# KiCad board VGA.kicad_pcb (continued)
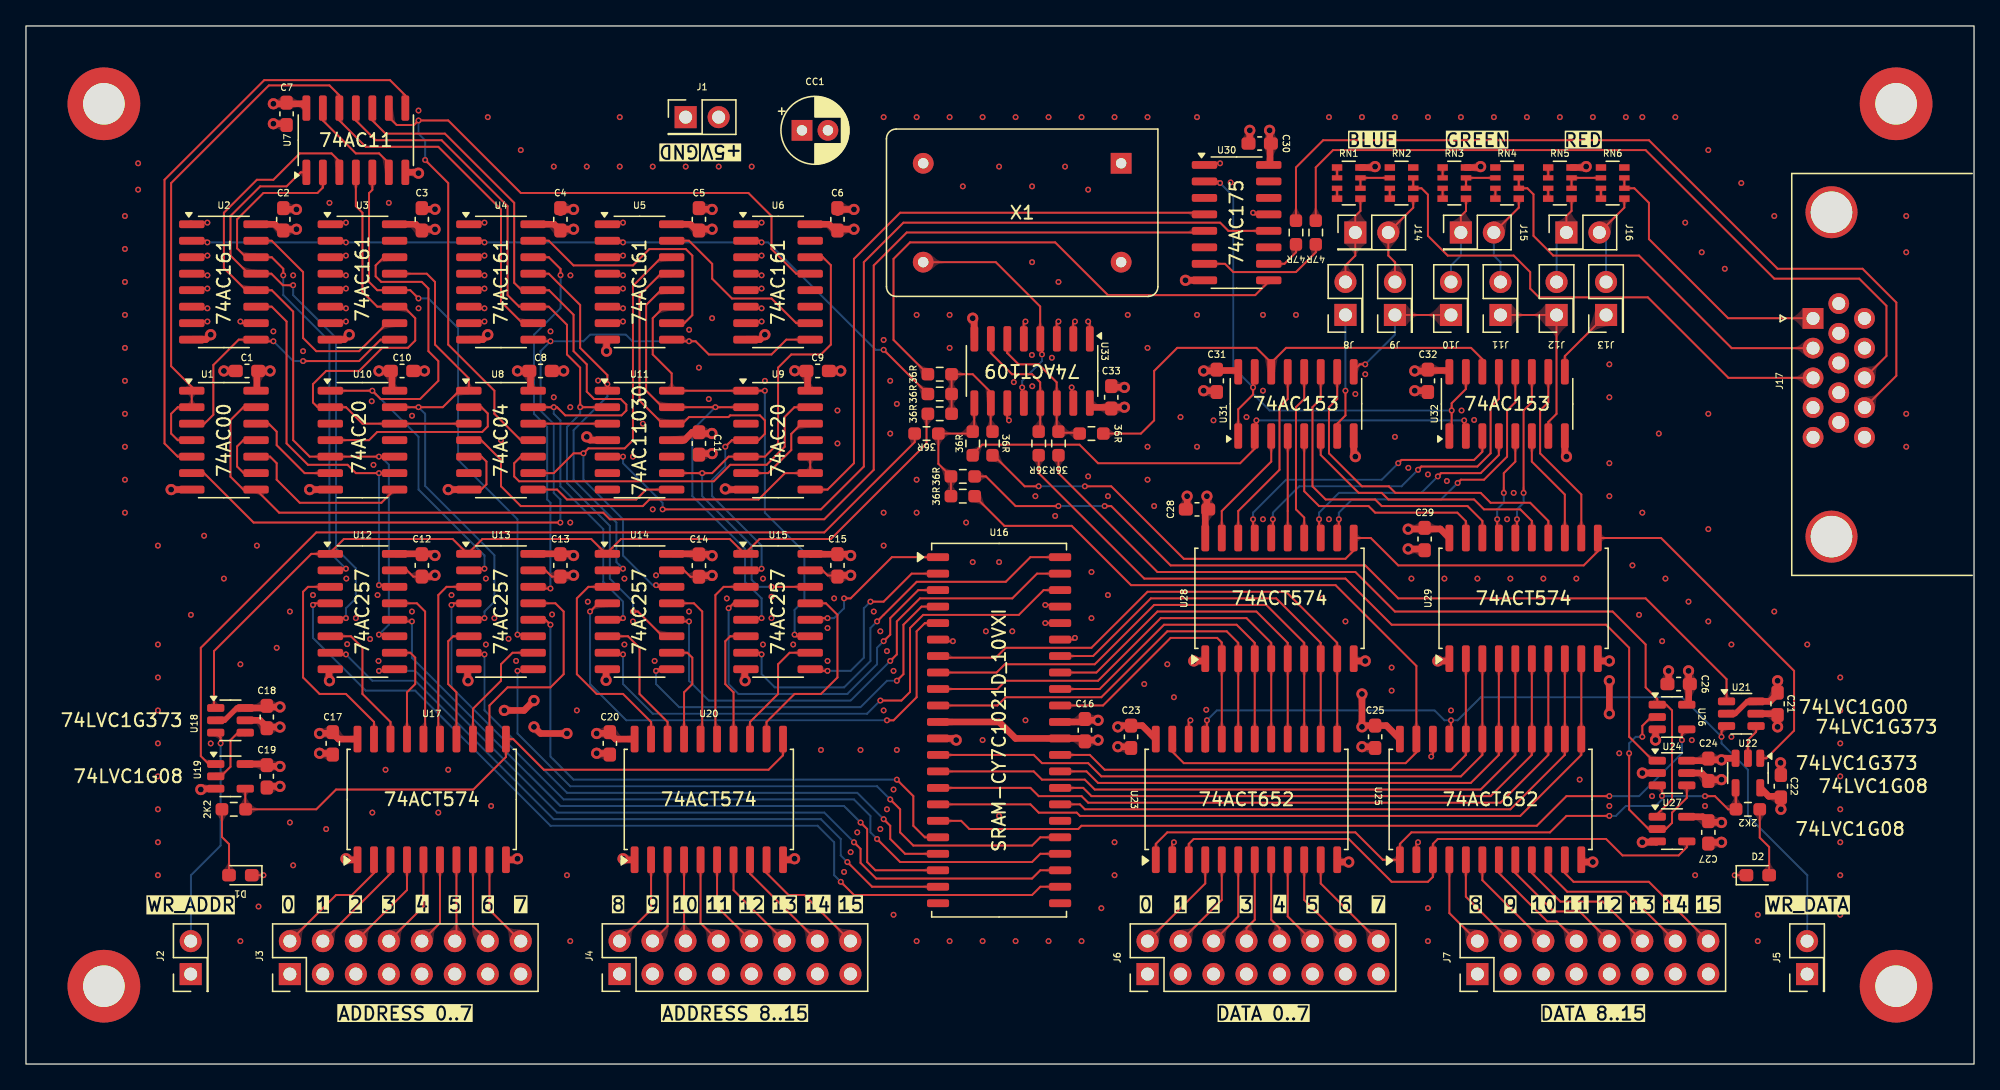
[diagram p0: board, top side]
## Nets (continued)
/VGA OUTPUT/RED0: J12.2 J16.1 RN5.5
/VGA OUTPUT/RED1: J13.2 J16.2 RN6.5
/VGA OUTPUT/RED_OUT: J17.1 RN6.6 RN6.7
/VGA OUTPUT/VSYNC_OUT: J17.14 R4.2
/WR: U16.17 U26.4
DATASYNC: U9.8 U30.4
HSYNC: U1.8 U1.13 U30.5
PX_DATA0: U16.35 U23.20 U28.2
PX_DATA1: U16.10 U23.19 U28.3
PX_DATA2: U16.36 U23.18 U28.4
PX_DATA3: U16.9 U23.17 U28.5
PX_DATA4: U16.37 U23.16 U28.6
PX_DATA5: U16.8 U23.15 U28.7
PX_DATA6: U16.38 U23.14 U28.8
PX_DATA7: U16.7 U23.13 U28.9
PX_DATA8: U16.32 U25.20 U29.2
PX_DATA9: U16.13 U25.19 U29.3
PX_DATA10: U16.31 U25.18 U29.4
PX_DATA11: U16.14 U25.17 U29.5
PX_DATA12: U16.30 U25.16 U29.6
PX_DATA13: U16.15 U25.15 U29.7
PX_DATA14: U16.29 U25.14 U29.8
PX_DATA15: U16.16 U25.13 U29.9
S_ADDR0: U2.14 U7.2 U12.2
S_ADDR1: U2.13 U7.1 U12.5
S_ADDR2: U2.12 U7.3 U10.5 U10.10 U12.11
S_ADDR3: U2.11 U10.9 U12.14
S_ADDR4: U3.14 U10.1 U13.2
S_ADDR5: U3.13 U8.1 U10.13 U13.5
S_ADDR6: U3.12 U7.5 U13.11
S_ADDR7: U4.14 U13.14
S_ADDR8: U4.13 U11.1 U14.2
S_ADDR9: U4.12 U7.10 U8.13 U14.5
S_ADDR10: U4.11 U7.11 U11.2 U14.11
S_ADDR11: U5.14 U8.9 U14.14
S_ADDR12: U5.13 U9.4 U11.12 U15.2
S_ADDR13: U5.12 U9.2 U11.13 U15.5
S_ADDR14: U5.11 U9.1 U11.14 U15.11
S_ADDR15: U6.14 U9.5 U11.9 U15.14
VSYNC: U11.5 U30.12
X_ADDR0: U12.3 U17.19
X_ADDR1: U12.6 U17.18
X_ADDR2: U12.10 U17.17
X_ADDR3: U12.13 U17.16
X_ADDR4: U13.3 U17.15
X_ADDR5: U13.6 U17.14
X_ADDR6: U13.10 U17.13
X_ADDR7: U13.13 U17.12
X_ADDR8: U14.3 U20.19
X_ADDR9: U14.6 U20.18
X_ADDR10: U14.10 U20.17
X_ADDR11: U14.13 U20.16
X_ADDR12: U15.3 U20.15
X_ADDR13: U15.6 U20.14
X_ADDR14: U15.10 U20.13
X_ADDR15: U15.13 U20.12
Net-(D1-A): D1.2 R1.1
Net-(D2-A): D2.2 R2.1
Net-(RN1A-R1.1): RN1.1 RN1.2
Net-(RN1B-R2.2): RN1.6 RN1.7 RN2.2
Net-(RN1C-R3.1): RN1.3 RN1.4
Net-(RN2C-R3.1): RN2.3 RN2.4
Net-(RN3A-R1.1): RN3.1 RN3.2
Net-(RN3B-R2.2): RN3.6 RN3.7 RN4.2
Net-(RN3C-R3.1): RN3.3 RN3.4
Net-(RN4C-R3.1): RN4.3 RN4.4
Net-(RN5A-R1.1): RN5.1 RN5.2
Net-(RN5B-R2.2): RN5.6 RN5.7 RN6.2
Net-(RN5C-R3.1): RN5.3 RN5.4
Net-(RN6C-R3.1): RN6.3 RN6.4
Net-(U1-Pad5): U1.5 U7.8
Net-(U1-Pad10): U1.10 U10.8
Net-(U1-Pad11): U1.9 U1.11
Net-(U1-Pad12): U1.12 U10.6
Net-(U2-TC): U2.15 U3.10
Net-(U2-~{PE}): U1.3 U2.9 U3.9
Net-(U4-CET): U1.1 U1.2 U1.4 U4.10 U7.12
Net-(U4-TC): U4.15 U5.10
Net-(U4-~{PE}): U1.6 U4.9 U5.9 U6.9
Net-(U5-TC): U5.15 U6.10
Net-(U6-Q1): U6.13 U7.9 U8.11
Net-(U7-Pad13): U7.6 U7.13
Net-(U8-Pad4): U8.4 U9.9 U9.10
Net-(U8-Pad10): U8.10 U9.13
Net-(U9-Pad12): U9.6 U9.12
Net-(U10-Pad4): U8.2 U10.4
Net-(U11-Pad3): U8.12 U11.3
Net-(U11-Pad8): U8.8 U11.8
Net-(U18-Q): U18.4 U19.2
Net-(U21-Q): U21.4 U22.2
Net-(U24-Q): U24.4 U26.2 U27.2
Net-(U30-Q1): R3.1 U30.7
Net-(U30-Q2): R4.1 U30.10

Pads without a net: H1 1; H2 1; H3 1; H4 1; J17 0 4 9 11 12 15; RN2 1 8; RN4 1 8; RN6 1 8; U3 15; U6 11 12 15; U8 6; U9 3 11; U10 3 11; U11 6 7 10; U16 22 23 28; U30 3 6 11 14 15; X1 1

## Via types
v1: diameter 0.457, hole 0.254, Signal to Signal & Power, 445 vias
v2: diameter 0.864, hole 0.457, Signal to Signal & Power, 110 vias

## Routing (per net, layer and track width the routed paths; a pad name or vN(x,y) marks a point on that pad's centre or on a via; arc(x,y) is an arc through that point)
GND: length 142.4
  Signal w0.152: v1(24.64,58.24) 23.46,58.24 23.33,58.37 ; 23.33,62.18 23.46,62.3 v1(24.64,62.3) ; v1(79.5,57.22) 79.36,57.09 79.36,55.98 ; v1(45.97,60.78) 44.8,60.78 44.67,60.91 ; v1(45.97,58.24) 44.8,58.24 44.67,58.37 ; C12.2 29.82,37.57 29.34,38.05 28.48,38.05 ; C14.2 51.17,37.55 50.67,38.05 49.82,38.05 ; v1(24.64,59.76) 23.46,59.76 23.33,59.64 ; v1(35.31,62.3) 34.13,62.3 34,62.18 ; v1(78.49,33.98) U16.40 ; v1(13.97,58.24) 12.79,58.24 12.67,58.37 ; 12.67,62.18 12.79,62.3 v1(13.97,62.3) ; 44.67,59.64 44.8,59.76 v1(45.97,59.76) ; U16.39 80.65,32.71 v1(80.77,32.84) ; v1(35.31,58.24) 34.13,58.24 34,58.37 ; 95.79,65.48 94.62,65.48 v1(94.49,65.61) ; U8.5 35.08,46.81 35.46,46.43 35.46,44.67 35.05,44.27 U8.7 ; v1(78.49,35.38) 79.5,35.38 U16.41 ; 23.33,60.91 23.46,60.78 v1(24.64,60.78) ; U16.6 70.36,32.59 v1(71.37,32.59) ; 34,60.91 34.13,60.78 v1(35.31,60.78) ; 55.34,62.18 55.46,62.3 v1(56.64,62.3) ; v1(45.97,62.3) 44.8,62.3 44.67,62.18 ; 60.74,38.05 61.34,38.05 61.74,37.65 62.48,37.65 ; v1(13.97,60.78) 12.79,60.78 12.67,60.91 ; 55.34,58.37 55.46,58.24 v1(56.64,58.24) ; C13.2 40.49,37.57 40,38.05 39.05,38.05 ; 55.34,60.91 55.46,60.78 v1(56.64,60.78) ; v1(56.64,59.76) 55.46,59.76 55.34,59.64 ; 12.67,59.64 12.79,59.76 v1(13.97,59.76) ; 17.3,14.55 v1(18.29,14.55) ; 34,59.64 34.13,59.76 v1(35.31,59.76) ; 132.56,14.55 v1(131.57,14.55)
  Signal w0.406: U21.2 131.6,27 132.55,27.95 U21.6 ; U18.2 15.29,26.49 16.24,27.44 U18.6
  Signal w0.508: U29.10 121.21,31.06 v2(121.92,31.06) ; v2(63.75,65.86) 62.5,65.86 ; C12.2 31.4,37.57 v2(31.5,37.67) ; v2(44.67,29.57) 44.67,30.43 ; v2(89.41,43.76) 89.41,42.76 89.4,42.75 ; 51.82,37.64 52.82,37.64 v2(52.83,37.65) ; v2(13.46,21.16) 13.53,21.22 U19.3 ; v2(30.68,53.41) 29.73,53.41 ; v2(19.56,21.4) 18.54,21.4 ; 44.96,23.94 43.96,23.94 v2(43.94,23.95) ; v2(23.37,29.54) 23.33,29.57 23.33,30.43 ; U21.6 134.29,27.95 134.87,28.53 v2(134.87,29.54) ; U24.2 v2(124.46,22.43) ; v2(53.85,44.32) 53.9,44.27 U9.7 ; U22.3 130.68,23.56 v2(130.56,23.44) ; 102.24,48.3 102.24,46.94 v2(102.36,46.81) ; 83.57,52.16 84.57,52.16 v2(84.58,52.14) ; v2(37.85,15.82) 37.77,15.74 36.96,15.74 ; v2(135.1,23.21) 135.13,23.19 135.13,22.19 ; v2(56.9,56.21) 56.52,55.83 55.34,55.83 ; v2(126.48,30.3) 126.48,29.28 ; U11.4 43.43,48.08 v2(43.18,48.33) ; v2(103.12,31.06) 102.41,31.06 U28.10 ; v2(42.16,65.86) 41.16,65.86 ; v2(130.56,23.44) 130.57,23.45 ; v2(130.56,23.44) 130.54,23.45 129.54,23.45 129.46,23.38 U24.6 ; 119.76,15.74 119.94,15.57 v2(120.65,15.57) ; 129.54,17.08 130.54,17.08 v2(130.56,17.09) ; v2(52.83,65.86) 52.82,65.87 51.82,65.87 ; v2(112.01,69.16) 111.94,69.09 RN3.8 ; 55.34,30.43 55.34,29.57 v2(55.37,29.54) ; v2(41.4,53.41) 40.4,53.41 ; U8.7 v2(32.51,44.27) ; v2(89.92,31.06) 90.63,31.06 U28.1 ; 19.81,65.87 20.82,65.87 ; 79.63,26.36 81.39,26.36 81.53,26.5 82.54,26.5 v2(82.55,26.49) ; RN5.8 120.07,69.09 v2(120.14,69.16) ; v2(63.5,37.67) 63.49,37.65 62.48,37.65 ; 94.22,70.94 94.22,71.94 v2(94.23,71.96) ; v2(59.18,15.82) 59.1,15.74 U20.10 ; U7.7 30.16,68.72 v2(30.23,68.65) ; v2(14.22,56.21) 13.84,55.83 12.67,55.83 ; v2(44.7,54.94) 44.7,55.76 U5.8 ; v2(125.48,24.97) 125.48,25.66 U26.3 ; v2(31.5,65.87) 30.99,65.87 ; v2(24.64,15.82) 24.72,15.74 U17.1 ; v2(108.71,31.06) 109.43,31.06 U29.1 ; 23.33,55.83 24.51,55.83 v2(24.89,56.21) ; 12.77,44.27 v2(11.18,44.27) ; v2(19.05,72.46) 20.07,72.46 ; v2(89.28,60.4) 90.64,60.4 ; 23.62,23.94 22.62,23.94 v2(22.61,23.95) ; 34,55.83 35.18,55.83 v2(35.56,56.21) ; 41.15,37.65 42.15,37.65 v2(42.16,37.67) ; v2(34.04,29.54) 34,29.57 34,30.43 ; v2(118.62,46.81) 118.49,46.94 118.49,48.3 ; 103.89,24.44 102.88,24.44 v2(102.87,24.46) ; v2(124.46,17.09) 125.54,17.09 U27.3 ; 16.24,53.41 v2(15.24,53.41) ; 41.16,65.61 41.15,65.62 ; U16.12 71.5,25.09 v2(71.63,24.97) ; RN1.8 103.81,69.09 v2(103.88,69.16) ; 100.97,15.74 101.14,15.57 v2(101.85,15.57) ; v2(106.93,51.89) 107.94,51.89 107.95,51.88 ; 85.09,24.44 84.09,24.44 v2(84.07,24.46) ; U10.7 v2(21.84,44.27) ; 62.5,65.61 62.48,65.62 ; 91.69,51.88 90.69,51.88 v2(90.68,51.89) ; v2(106.43,39.7) 106.44,39.69 107.7,39.69 ; v2(52.83,47.04) 51.82,47.04 ; v2(45.97,15.82) 46.05,15.74 U20.1 ; 73.01,55.98 73.01,57.36 v2(72.9,57.48) ; U18.6 18.46,27.44 18.54,27.52 v2(19.56,27.52) ; v2(62.74,53.41) 61.74,53.41
  vias: v1(7.62,65.35) v1(7.62,62.81) v1(7.62,60.27) v1(7.62,57.73) v1(7.62,55.19) v1(7.62,52.65) v1(7.62,50.11) v1(7.62,47.57) v1(7.62,45.03) v1(7.62,42.49) v1(8.64,69.42) v1(8.64,67.38) v1(10.16,39.95) v1(10.16,32.33) v1(10.16,29.79) v1(10.16,27.25) v1(10.16,24.71) v1(10.16,22.17) v1(10.16,19.63) v1(10.16,17.09) v1(10.16,14.55) v1(12.7,34.62) v1(13.72,40.71) v1(14.22,24.71) v1(15.24,37.41) v1(16.51,30.81) v1(16.51,9.47) v1(17.78,39.95) v1(17.91,12.14) v1(19.05,56.46) v1(19.3,32.08) v1(20.32,34.87) v1(20.32,18.62) v1(20.57,60.78) v1(20.57,15.31) v1(21.34,54.94) v1(22.1,36.14) v1(23.11,18.11) v1(23.37,66.37) v1(24.67,37.41) v1(24.73,32.36) v1(25.4,34.36) v1(26.5,32.75) v1(26.62,51.08) v1(26.67,19.38) v1(26.76,46.18) v1(27.07,36.14) v1(27.15,31.06) v1(27.69,22.68) v1(27.94,66.37) v1(29.73,49.96) v1(29.72,34.87) v1(30.23,73.48) v1(30.23,58.24) v1(31.75,19.38) v1(32.51,22.68) v1(32.77,36.14) v1(35.41,37.41) v1(35.41,32.33) v1(35.56,72.97) v1(35.81,19.89) v1(36.07,34.36) v1(36.58,48.08) v1(37.16,32.77) v1(37.74,31.07) v1(38.1,70.43) v1(40.39,56.46) v1(40.51,34.65) v1(40.64,69.16) v1(40.64,51.38) v1(41.66,14.55) v1(41.92,60.78) v1(41.91,50.62) v1(41.91,41.73) v1(41.91,9.47) v1(42.42,27.25) v1(43.18,69.16) v1(43.26,35.63) v1(44.05,52.67) v1(45.72,72.97) v1(45.72,69.16) v1(46.08,37.41) v1(46.08,32.33) v1(46.74,46.81) v1(46.74,34.11) v1(47.5,49.35) v1(48.26,69.16) v1(48.26,42.75) v1(48.41,31.07) v1(48.51,37.67) v1(50.8,69.16) v1(51.07,56.59) v1(51.05,34.87) v1(51.82,53.67) v1(52.58,51.25) v1(52.83,57.48) v1(53.34,69.16) v1(53.96,35.88) v1(55.88,69.16) v1(56.75,32.33) v1(56.75,37.41) v1(56.9,52.65) v1(57.4,36.01) v1(57.4,34.36) v1(59.08,32.33) v1(61.21,24.2) v1(61.72,33.6) v1(61.72,31.06) v1(62.23,35.89) v1(62.48,50.37) v1(62.48,47.83) v1(62.99,14.81) v1(63.5,16.33) v1(64.01,17.85) v1(64.26,24.2) v1(65.28,34.87) v1(65.79,33.35) v1(65.79,18.11) v1(66.04,72.97) v1(66.04,55.8) v1(66.04,42.49) v1(66.04,39.95) v1(66.04,27.25) v1(66.29,31.82) v1(66.29,19.63) v1(66.55,52.65) v1(66.55,48.59) v1(66.8,30.3) v1(66.8,21.16) v1(66.8,11.5) v1(67.06,50.87) v1(67.06,24.2) v1(68.58,72.97) v1(68.58,57.73) v1(68.58,45.03) v1(68.58,42.49) v1(68.58,9.47) v1(71.12,72.97) v1(71.12,57.73) v1(71.12,55.19) v1(71.12,9.47) v1(72.14,67.64) v1(72.39,41.73) v1(72.9,38.68) v1(73.66,72.97) v1(73.66,24.97) v1(73.66,9.47) v1(73.91,33.35) v1(74.93,69.16) v1(74.93,38.68) v1(74.93,19.12) v1(75.95,33.35) v1(76.06,52.55) v1(76.2,72.97) v1(76.2,9.47) v1(76.96,26.49) v1(77.47,67.64) v1(77.47,61.8) v1(77.46,54.64) v1(77.48,52.24) v1(77.72,43.76) v1(78.74,72.97) v1(78.74,9.47) v1(78.99,54.43) v1(79.25,42.24) v1(79.5,60.27) v1(80.01,69.16) v1(81.28,72.97) v1(81.28,9.47) v1(81.79,67.38) v1(81.79,45.29) v1(82.04,37.92) v1(82.04,34.36) v1(82.8,12.01) v1(83.31,43.76) v1(83.31,36.14) v1(83.82,72.97) v1(83.82,17.09) v1(83.82,14.55) v1(84.84,57.73) v1(86.11,29.28) v1(86.36,72.97) v1(86.36,55.19) v1(86.36,47.57) v1(86.36,45.03) v1(86.87,43) v1(87.88,30.81) v1(88.39,28.27) v1(88.9,49.86) v1(90.17,72.97) v1(90.17,57.73) v1(90.17,47.57) v1(90.88,27.3) v1(91.44,49.6) v1(92.76,67.94) v1(93.98,49.86) v1(95.25,57.73) v1(95.25,51.89) v1(95.25,41.98) v1(97.79,57.73) v1(99.82,35.89) v1(100.33,72.97) v1(100.33,41.98) v1(101.6,34.11) v1(102.36,51.64) v1(102.87,72.97) v1(103.12,53.16) v1(105.16,30.55) v1(105.16,28.78) v1(105.41,72.97) v1(105.41,48.33) v1(106.44,45.95) v1(106.68,37.41) v1(107.95,72.97) v1(107.95,45.44) v1(107.95,12.01) v1(107.95,9.47) v1(109.22,37.41) v1(109.41,44.93) v1(109.73,27.25) v1(110.49,72.97) v1(110.54,50.37) v1(111.51,49.63) v1(111.76,37.41) v1(113.03,72.97) v1(114.05,41.98) v1(114.3,37.41) v1(114.55,44.02) v1(115.57,72.97) v1(116.84,37.41) v1(118.11,72.97) v1(119.38,37.41) v1(119.63,21.92) v1(120.65,72.97) v1(121.92,53.92) v1(121.92,51.38) v1(121.92,46.3) v1(121.92,43.76) v1(121.92,19.89) v1(122.68,23.95) v1(123.19,72.97) v1(123.7,38.43) v1(124.21,34.62) v1(124.46,72.97) v1(124.46,42.49) v1(125.21,20.64) v1(125.73,48.59) v1(125.98,32.59) v1(126.24,37.41) v1(127,72.97) v1(127.76,64.84) v1(128.02,35.63) v1(128.27,24.96) v1(128.52,14.55) v1(129.03,62.56) v1(129.29,19.89) v1(129.54,70.43) v1(129.54,50.11) v1(129.54,41.22) v1(129.54,34.11) v1(130.81,61.29) v1(131.32,32.33) v1(131.32,25.21) v1(132.08,67.89) v1(133.35,11.5) v1(133.35,9.47) v1(134.62,65.35) v1(134.62,34.87) v1(137.16,32.33) v1(139.7,29.79) v1(139.7,27.25) v1(139.7,24.71) v1(139.7,22.17) v1(139.7,19.63) v1(139.7,17.09) v1(139.7,14.55) v1(139.7,11.5) v1(144.78,65.35) v1(144.78,62.56) v1(144.78,50.11) v1(144.78,47.57) v2(20.83,65.86)
VCC: length 150.3
  Signal w0.152: 76.82,55.98 76.82,57.09 v1(76.96,57.22) ; 33.89,64.83 34,64.72 ; 34,64.72 33.4,64.72 ; 34,64.72 34.13,64.84 v1(35.31,64.84) ; v1(13.97,57.22) 12.79,57.22 12.67,57.1 ; v1(56.64,64.84) 55.46,64.84 55.34,64.72 ; 44.67,57.1 44.8,57.22 v1(45.97,57.22) ; U25.2 107.06,16.96 v1(107.19,17.09) ; 55.34,64.72 55.2,64.86 ; 55.34,64.72 54.74,64.72 ; v1(81.79,57.22) 81.9,57.11 81.9,55.98 ; 23.33,64.72 23.46,64.84 v1(24.64,64.84) ; 55.34,57.1 55.46,57.22 v1(56.64,57.22) ; 12.3,64.72 12.67,64.72 ; 12.67,64.72 12.07,64.72 ; 12.67,64.72 12.79,64.84 v1(13.97,64.84) ; 75.55,50.83 75.55,49.74 v1(75.69,49.6) ; 90.64,69.29 90.77,69.42 v1(91.95,69.42) ; 44.67,64.72 44.54,64.84 ; 44.67,64.72 44.8,64.84 v1(45.97,64.84) ; 44.67,64.72 44.07,64.72 ; 17.82,57.1 16.64,57.1 v1(16.51,57.22) ; 80.63,50.83 80.52,50.94 v1(80.52,52.14) ; U23.22 89.53,26.36 v1(89.66,26.49) ; v1(108.2,23.7) 108.33,23.82 U25.22 ; 23.33,57.1 23.46,57.22 v1(24.64,57.22) ; 22.83,64.72 22.7,64.84 ; 34,57.1 34.13,57.22 v1(35.31,57.22) ; U23.2 88.27,16.96 v1(88.39,17.09) ; v1(80.77,57.22) 80.63,57.09 80.63,55.98
  Signal w0.508: 91.69,53.43 90.69,53.43 v2(90.68,53.41) ; 109.6,53.45 108,53.45 107.95,53.4 ; 17.82,64.72 19.16,64.72 19.81,64.07 ; 70.23,26.36 74.93,26.36 76.2,25.09 U16.33 81.39,25.09 81.53,24.95 82.54,24.95 v2(82.55,24.97) ; U7.14 21.26,74 v2(19.05,74) ; v2(128.02,30.3) 128.03,30.29 128.03,27.84 U26.5 ; v2(19.56,25.97) 18.54,25.97 18.02,26.49 U18.5 16.9,26.48 ; v2(37.85,53.41) 38.85,53.41 38.85,52.09 39.05,51.89 ; v2(52.83,39.18) 52.73,39.28 C14.1 ; 17.79,53.41 17.78,53.4 17.78,51.95 U1.14 ; 17.79,53.41 17.78,53.43 ; 17.79,53.41 17.72,53.34 ; 17.79,53.41 v2(18.8,53.41) ; U27.5 129.11,19.06 129.54,18.63 130.54,18.63 v2(130.56,18.62) ; v2(52.82,48.59) 51.91,48.59 C11.1 51.3,48.69 50.69,48.08 U11.11 ; 28.48,64.72 30,64.72 C3.1 ; v2(59.19,53.43) 60.2,53.43 ; v2(42.16,39.19) 42.04,39.32 39.05,39.32 ; v2(135.13,19.63) 135.13,20.63 134.19,20.63 U22.5 ; v2(134.87,25.98) 134.87,26.98 134.86,27 U21.5 ; v2(102.87,28.52) v2(102.87,25.98) 102.97,26.08 104.75,26.08 U25.24 ; 12.7,64.75 12.67,64.72 ; U24.5 129.02,22.43 129.54,21.91 130.54,21.91 ; U23.24 85.96,26.08 84.17,26.08 v2(84.07,25.98) ; 18.54,22.95 19.55,22.95 v2(19.56,22.93) ; 90.94,42.75 90.93,42.76 v2(90.93,43.76) ; v2(42.16,64.34) 41.16,64.34 ; 107.95,53.43 107.94,53.41 v2(106.93,53.41) 106.95,53.4 ; v2(84.58,50.62) 84.57,50.61 82.12,50.61 81.9,50.83 ; v2(39.12,25.98) 39.62,25.47 v2(41.66,25.47) ; 49.82,64.72 51.17,64.72 51.82,64.07 51.83,64.08 ; v2(63.75,64.34) 62.5,64.34 ; U15.16 60.41,39.29 63.4,39.29 v2(63.5,39.19) ; v2(43.94,25.47) 43.96,25.49 44.96,25.49 45.4,25.04 U20.20 ; v2(27.18,53.41) 28.18,53.41 28.18,52.09 U10.14 ; U9.14 60.19,52.09 60.19,53.41 ; 28.48,39.32 31.37,39.32 v2(31.5,39.19) ; v2(95.76,71.96) 95.77,71.94 95.77,70.94 95.79,70.92 95.79,69.29 ; U19.5 18.45,23.12 C19.1 ; 39.15,64.72 40.67,64.72 41.16,64.22 ; 92.18,53.45 93.34,53.45 ; v2(106.43,41.22) 106.44,41.23 108.9,41.23 U29.20 ; U17.20 24.07,25.04 23.62,25.49 22.62,25.49 v2(22.61,25.47) ; 60.49,64.72 61.84,64.72 62.48,64.07 62.5,64.08 ; v2(31.5,64.32) 30.48,64.32 ; 20.82,64.32 19.9,64.32 C2.1 ; 49.82,39.32 51.68,39.32 ; v2(39.12,28.01) 38.35,27.25 v2(36.83,27.25) ; U28.20 90.81,42.61 ; v2(121.92,29.54) v2(121.92,27) ; v2(52.83,64.34) 51.83,64.34
  vias: v2(20.83,64.34) v2(130.56,21.92)
6.25 MHZ: length 9.6
  Signal w0.152: 74.28,50.83 74.28,51.77 72.9,53.16 R8.1 71.27,51.8 ; 74.28,50.83 74.28,48.79 74.42,48.65 ; 74.28,50.83 74.28,50.74 74.41,50.61 ; 71.27,51.47 71.27,50.28
6.25 MHZ A: length 67
  Signal w0.152: v1(13.97,63.32) 13.84,63.45 12.67,63.45 ; 23.33,63.45 24.51,63.45 v1(24.64,63.32) ; v1(45.97,63.32) 45.85,63.45 44.67,63.45 ; v1(35.31,63.32) 35.18,63.45 34,63.45 ; v1(66.04,55.04) 69.38,51.7 ; v1(56.64,63.32) 56.52,63.45 55.34,63.45
  Signal & Power w0.152: v1(66.04,55.04) 65.43,55.04 57.15,63.32 v1(56.64,63.32) v1(45.97,63.32) v1(35.31,63.32) v1(13.97,63.32)
6.25 MHZ B: length 71.1
  Signal w0.152: U18.1 14.48,27.57 14.48,31.82 21.97,39.32 23.33,39.32 24.48,40.46 32.86,40.46 34,39.32 35.14,40.46 43.53,40.46 44.67,39.32 45.81,40.46 54.19,40.46 55.34,39.32 56.48,40.46 61.98,40.46 69.34,47.83 69.34,50.01 R6.2
6.25 MHZ C: length 81
  Signal w0.152: 74.42,47 76.9,44.52 v1(77.98,44.52) ; v1(81.53,44.52) 83.57,44.52 89.15,38.94 101.6,38.94 102.24,39.57 U28.11 103.55,40.54 105.66,38.43 119.95,38.43 121.03,39.51 U29.11 125.91,40.54 136.14,30.3 136.14,25.69 134.01,23.56 U22.1
  Signal & Power w0.152: v1(77.98,44.52) v1(81.53,44.52)
6.25 MHZ D: length 41.7
  Signal w0.152: R8.2 66.8,55.8 66.8,62.05 68.07,63.32 79.25,63.32 83.31,59.26 94.65,59.26 95.79,60.4
12.5 MHZ: length 11.8
  Signal w0.152: 79.44,48.59 79.36,48.66 79.36,50.83 ; 79.36,50.83 79.5,50.69 ; 79.36,50.83 79.36,52.54 77.98,53.92 76.43,53.92 75.55,54.8 75.55,55.98 ; 79.5,48.65 81.07,48.65 R14.1
12.5 MHZ A: length 67.1
  Signal w0.152: 79.5,47 79.5,45.54 87.12,37.92 102.36,37.92 105.41,34.87 122.17,34.87 124.71,32.33 124.71,29.03 125.61,28.14 U26.1 126.3,27.69 126.75,27.25 126.75,20.39 125.61,19.26 U27.1
12.5 MHZ B: length 38.1
  Signal w0.152: 112.14,53.45 112.14,54.32 111.27,55.19 97.03,55.19 95.89,54.05 ; 112.14,53.45 112.14,54.05 112.01,54.18 ; 112.14,53.45 112.01,53.32 ; 95.89,54.05 95.89,53.45 96.01,53.32 ; 95.89,54.05 94.74,55.19 88.65,55.19 86.87,53.41 86.87,49.6 85.85,48.59 R14.2
/6.25 MHZ: length 10.1
  Signal w0.152: 73.01,50.83 73.01,48.77 72.84,48.59 R10.1 70.25,46.25 R9.1 R11.1
/6.25 MHZ A: length 66.2
  Signal w0.152: v1(79.5,43) 76.2,43 73.91,45.29 R9.2 72.96,45.37 ; U21.1 130.94,29.66 124.71,35.89 105.66,35.89 103.12,38.43 88.14,38.43 83.57,43 v1(83.06,43)
  Signal & Power w0.152: v1(79.5,43) v1(83.06,43)
/6.25 MHZ B: length 72.2
  Signal w0.152: R10.2 68.43,47.93 61.47,40.97 22.35,40.97 13.46,32.08 13.46,23.73 14.07,23.12 U19.1 14.48,23.25 ; 68.71,48.65 68.64,48.59
/6.25 MHZ C: length 66.6
  Signal w0.152: R11.2 75.33,41.48 80.52,41.48 85.09,36.9 100.84,36.9 107.06,30.68 U25.23 107.06,24.02 106.23,23.19 89.15,23.19 88.27,24.08 U23.23
/6.25 MHZ D: length 42.7
  Signal w0.152: v1(110.74,49.6) 110.74,48.43 110.87,48.3 ; 72.9,47 73.63,47.73 81.12,47.73 82.55,46.3 93.49,46.3 94.62,47.42 94.62,48.3 94.74,48.43 v1(94.74,49.6)
  Signal & Power w0.152: v1(94.74,49.6) v1(110.74,49.6)
/12.5 MHZ: length 9.9
  Signal w0.152: 77.98,48.65 78.09,48.77 78.09,52.54 77.47,53.16 75.92,53.16 74.28,54.8 74.28,55.98
/12.5 MHZ A: length 62.3
  Signal w0.152: U24.1 125.29,23.38 123.44,25.22 123.44,32.08 121.67,33.86 105.16,33.86 101.6,37.41 86.11,37.41 77.98,45.54 77.98,47
/CLOCK GENERATOR/25.175 MHZ: length 18.7
  Signal w0.152: X1.8 74.68,61.8 78.09,58.38 78.09,55.98 78.23,55.84 v1(78.23,54.68) ; v1(76.71,52.14) 76.71,50.94 76.82,50.83
  Signal & Power w0.152: v1(76.71,52.14) 76.71,52.65 78.23,54.18 v1(78.23,54.68)
/FRAME BUFFER/VRAM_ADDR0: length 72.7
  Signal w0.152: 23.33,35.51 24.13,35.51 ; 23.33,35.51 23.88,35.51 ; 23.33,35.51 22.23,35.51 v1(22.1,35.38) ; v1(62.74,14.04) 63.75,13.03 77.47,13.03 78.11,13.66 U16.24
  Signal & Power w0.152: v1(62.74,14.04) 62.23,14.55 62.23,17.09 60.96,18.36 40.39,18.36 29.97,28.78 26.16,28.78 22.1,32.84 v1(22.1,35.38)
/FRAME BUFFER/VRAM_ADDR1: length 55.3
  Signal w0.152: 23.33,31.7 23.46,31.57 v1(24.64,31.57) ; U16.21 65.15,13.66 v1(63.25,15.57) 63.25,15.41
  Signal & Power w0.152: v1(24.64,31.57) 26.67,29.54 29.97,29.54 40.64,18.87 61.21,18.87 62.74,17.35 62.74,16.08 v1(63.25,15.57)
/FRAME BUFFER/VRAM_ADDR2: length 61.3
  Signal w0.152: 28.48,30.43 28.36,30.3 v1(27.18,30.3) ; v1(63.75,17.09) 64.26,16.58 64.26,15.5 65.47,14.3 77.47,14.3 78.11,14.93 U16.25
  Signal & Power w0.152: v1(27.18,30.3) 29.97,30.3 40.89,19.38 61.47,19.38 v1(63.75,17.09)
/FRAME BUFFER/VRAM_ADDR3: length 52.9
  Signal w0.152: v1(64.26,18.62) 64.77,18.11 64.77,15.57 65.41,14.93 U16.20 ; v1(29.72,34.11) 28.61,34.11 28.48,34.24
  Signal & Power w0.152: v1(64.26,18.62) 62.99,19.89 41.15,19.89 29.72,31.32 v1(29.72,34.11)
/FRAME BUFFER/VRAM_ADDR4: length 62.4
  Signal w0.152: U16.26 78.11,16.2 77.47,15.57 67.31,15.57 v1(65.53,17.35) ; 34,35.51 34.54,35.51 ; 34,35.51 32.89,35.51 v1(32.77,35.38) ; 34,35.51 34.8,35.51
  Signal & Power w0.152: v1(65.53,17.35) 65.02,17.85 65.02,19.12 63.75,20.39 41.4,20.39 32.77,29.03 v1(32.77,35.38)
/FRAME BUFFER/VRAM_ADDR5: length 45.8
  Signal w0.152: v1(35.31,31.57) 34.13,31.57 34,31.7 ; U16.19 67.69,16.2 66.55,17.35 66.55,18.36 v1(66.04,18.87)
  Signal & Power w0.152: v1(66.04,18.87) 64.01,20.9 41.66,20.9 35.31,27.25 v1(35.31,31.57)
/FRAME BUFFER/VRAM_ADDR6: length 52.8
  Signal w0.152: v1(37.85,30.3) 39.02,30.3 39.15,30.43 ; U16.27 78.11,17.47 77.47,16.84 68.33,16.84 67.31,17.85 67.31,19.63 v1(66.55,20.39)
  Signal & Power w0.152: v1(66.55,20.39) 65.53,21.41 41.91,21.41 37.85,25.47 v1(37.85,30.3)
/FRAME BUFFER/VRAM_ADDR7: length 45.3
  Signal w0.152: v1(67.06,21.92) 68.33,20.65 68.33,18.36 69.22,17.47 U16.18 ; v1(40.39,33.86) 40,34.24 39.15,34.24
  Signal & Power w0.152: v1(40.39,33.86) 40.39,23.7 42.16,21.92 v1(67.06,21.92)
/FRAME BUFFER/VRAM_ADDR8: length 42.5
  Signal w0.152: 44.67,35.51 45.47,35.51 ; 44.67,35.51 44.07,35.51 v1(43.43,34.87) ; 44.67,35.51 45.21,35.51 ; v1(66.29,26.49) 66.8,26.49 68.58,28.27 68.58,33.35 69.22,33.98 U16.5
  Signal & Power w0.152: v1(43.43,34.87) 43.43,29.28 46.23,26.49 v1(66.29,26.49)
/FRAME BUFFER/VRAM_ADDR9: length 45.1
  Signal w0.152: v1(45.97,31.57) 44.8,31.57 44.67,31.7 ; 79.63,36.52 78.36,36.52 76.45,34.61 69.08,34.61 68.07,33.6 68.07,28.68 67.41,28.01 v1(65.79,28.01)
  Signal & Power w0.152: v1(65.79,28.01) 64.77,27 48.26,27 45.97,29.28 v1(45.97,31.57)
/FRAME BUFFER/VRAM_ADDR10: length 30.3
  Signal w0.152: U16.4 68.96,35.25 67.56,33.86 67.56,30.05 v1(67.06,29.54) ; 49.82,30.43 48.64,30.43 v1(48.51,30.3)
  Signal & Power w0.152: v1(67.06,29.54) 66.29,29.54 64.26,27.51 50.29,27.51 48.51,29.28 v1(48.51,30.3)
/FRAME BUFFER/VRAM_ADDR11: length 40.6
  Signal w0.152: v1(66.55,31.06) 67.06,31.57 67.06,34.11 68.83,35.89 75.95,35.89 77.85,37.79 U16.43 ; v1(51.05,34.11) 49.95,34.11 49.82,34.24
  Signal & Power w0.152: v1(51.05,34.11) 51.05,29.54 52.58,28.01 63.5,28.01 v1(66.55,31.06)
/FRAME BUFFER/VRAM_ADDR12: length 29.8
  Signal w0.152: v1(66.04,32.59) 66.55,33.09 66.55,34.36 68.71,36.52 70.23,36.52 ; 55.34,35.51 55.88,35.51 ; 55.34,35.51 54.48,35.51 v1(54.1,35.13) ; 55.34,35.51 56.13,35.51
  Signal & Power w0.152: v1(54.1,35.13) 54.1,29.28 54.86,28.52 63.25,28.52 65.53,30.81 65.53,32.08 v1(66.04,32.59)
/FRAME BUFFER/VRAM_ADDR13: length 31.9
  Signal w0.152: U16.44 77.34,39.06 75.44,37.16 68.58,37.16 v1(65.53,34.11) ; v1(56.64,31.57) 56.52,31.7 55.34,31.7
  Signal & Power w0.152: v1(56.64,31.57) 56.64,30.05 57.66,29.03 62.99,29.03 65.02,31.06 65.02,33.6 v1(65.53,34.11)
/FRAME BUFFER/VRAM_ADDR14: length 15.1
  Signal w0.152: v1(65.02,35.63) 66.04,35.63 68.2,37.79 U16.2 ; v1(61.72,30.3) 60.61,30.3 60.49,30.43
  Signal & Power w0.152: v1(65.02,35.63) 64.52,35.13 64.52,31.32 63.5,30.3 v1(61.72,30.3)
/FRAME BUFFER/VRAM_ADDR15: length 12.2
  Signal w0.152: 60.49,34.24 60.61,34.36 v1(61.72,34.36) ; v1(62.99,35.89) 63.5,35.89 66.68,39.06 U16.1
  Signal & Power w0.152: v1(62.99,35.89) 62.99,35.13 62.23,34.36 v1(61.72,34.36)
/INTERFACE/A0: length 9.7
  Signal w0.152: 26.8,15.74 26.8,14.72 25.11,13.03 23.88,13.03 J3.2
/INTERFACE/A1: length 8.4
  Signal w0.152: J3.4 28.07,14.68 U17.3
/INTERFACE/A2: length 7.9
  Signal w0.152: U17.4 29.34,13.41 J3.6
/INTERFACE/A3: length 7.4
  Signal w0.152: U17.5 30.61,12.14 J3.8
/INTERFACE/A4: length 6.9
  Signal w0.152: J3.10 31.88,10.87 U17.6
/INTERFACE/A5: length 6.3
  Signal w0.152: J3.12 33.15,9.6 U17.7
/INTERFACE/A6: length 6.7
  Signal w0.152: J3.14 34.42,10.61 34.42,15.74
/INTERFACE/A7: length 7.3
  Signal w0.152: U17.9 35.69,11.88 J3.16
/INTERFACE/A8: length 7.3
  Signal w0.152: J4.2 48.13,11.91 U20.2
/INTERFACE/A9: length 6.7
  Signal w0.152: U20.3 49.4,10.63 J4.4
/INTERFACE/A10: length 6.3
  Signal w0.152: U20.4 50.67,9.59 50.78,9.48
/INTERFACE/A11: length 6.8
  Signal w0.152: U20.5 51.94,10.86 J4.8
/INTERFACE/A12: length 7.4
  Signal w0.152: U20.6 53.21,12.13 J4.10
/INTERFACE/A13: length 7.9
  Signal w0.152: J4.12 54.48,13.4 U20.7
/INTERFACE/A14: length 8.4
  Signal w0.152: 60.94,9.48 55.75,14.67 U20.8
/INTERFACE/A15: length 9.7
  Signal w0.152: U20.9 57.02,14.72 58.71,13.03 59.93,13.03 J4.16
/INTERFACE/CK_ADDR: length 48.7
  Signal w0.152: U20.11 58.29,23.79 57.18,22.68 39.88,22.68 37.51,25.04 36.96,25.04 36.96,23.67 34.45,21.16 23.88,21.16 22.35,19.63 R1.2 ; U19.4 16.89,19.69 16.83,19.63
/INTERFACE/CK_DTA: length 55
  Signal w0.152: 131.76,19.63 131.64,19.76 U22.4 131.68,21.25 R2.2 131.06,19.63 130.05,20.65 v1(129.29,20.65) ; U23.1 87,16.96 87.88,17.85 102.36,17.85 104.47,15.74 U25.1 105.79,16.96 106.68,17.85 117.35,17.85 118.62,19.12 v1(121.92,19.12) ; v1(125.97,20.66) 125.97,21.11 U24.3 125.61,21.28
  Signal & Power w0.152: v1(129.29,20.65) 125.98,20.65 v1(125.97,20.66) 125.97,20.38 125.48,19.89 123.19,19.89 122.43,19.12 v1(121.92,19.12)
/INTERFACE/D0: length 8.1
  Signal w0.152: J6.2 90.81,13.92 U23.4
/INTERFACE/D1: length 7.6
  Signal w0.152: J6.4 92.08,12.65 U23.5
/INTERFACE/D2: length 7.1
  Signal w0.152: J6.6 93.34,11.38 93.34,15.74
/INTERFACE/D3: length 6.6
  Signal w0.152: J6.8 93.98,10.49 94.62,11.12 U23.7 ; 94,9.96 93.98,9.95
/INTERFACE/D4: length 6.5
  Signal w0.152: J6.10 96.52,10.49 95.89,11.12 U23.8
/INTERFACE/D5: length 7.1
  Signal w0.152: J6.12 97.16,11.38 U23.9
/INTERFACE/D6: length 7.6
  Signal w0.152: U23.10 98.43,12.65 J6.14
/INTERFACE/D7: length 8.1
  Signal w0.152: U23.11 99.69,13.92 J6.16
/INTERFACE/D8: length 7.2
  Signal w0.152: J7.2 109.6,11.63 U25.4
/INTERFACE/D9: length 7.7
  Signal w0.152: J7.4 110.87,12.9 U25.5
/INTERFACE/D10: length 8.2
  Signal w0.152: U25.6 112.14,14.17 J7.6
/INTERFACE/D11: length 9.2
  Signal w0.152: J7.8 117.86,11 117.13,11 113.41,14.72 U25.7
/INTERFACE/D12: length 10.4
  Signal w0.152: U25.8 114.68,14.72 117.64,11.76 119.63,11.76 J7.10
/INTERFACE/D13: length 11.7
  Signal w0.152: J7.12 121.41,12.52 118.15,12.52 115.95,14.72 U25.9
/INTERFACE/D14: length 13
  Signal w0.152: U25.10 117.22,14.74 118.68,13.28 123.19,13.28 J7.14
/INTERFACE/D15: length 14.2
  Signal w0.152: U25.11 118.49,14.72 119.17,14.04 124.97,14.04 J7.16
/INTERFACE/WR: length 45.2
  Signal w0.152: U27.4 127.88,16.71 127.25,16.08 122.94,16.08 121.67,17.35 108.71,17.35 108.33,16.96 U25.3 108.33,14.42 107.95,14.04 105.16,14.04 101.85,17.35 89.92,17.35 89.53,16.96 U23.3
/INTERFACE/WR_ADDR: length 17.7
  Signal w0.152: U18.3 14.99,25.16 v1(14.99,24.71)
  Signal & Power w0.152: v1(14.99,24.71) 14.99,16.84 12.7,14.55 12.7,9.49 J2.2 12.69,9.98
/INTERFACE/WR_DATA: length 65.7
  Signal w0.152: U21.3 130.56,25.66 v1(130.56,25.22) ; v1(90.93,26.49) 90.93,25.17 U23.21 90.81,24.08 ; v1(109.73,26.49) 109.73,25.17 U25.21
  Signal & Power w0.152: 137.16,9.47 137.16,14.55 132.59,19.12 132.59,22.68 130.56,24.71 v1(130.56,25.22) 127.51,28.27 112.01,28.27 110.24,26.49 v1(109.73,26.49) 109.22,26.49 108.46,27.25 91.69,27.25 v1(90.93,26.49)
/SYNC GENERATOR/S_ADDR6.5: length 39.4
  Signal w0.152: U7.4 25.4,66.11 25.91,65.61 25.91,59.51 27.05,58.37 29.08,58.37 29.97,57.48 29.97,55.76 29.41,55.2 27.44,55.2 25.65,53.41 23.11,53.41 22.1,52.4 22.1,50.98 22.46,50.62 U10.2 24.64,50.62 25.91,49.35 U10.12 U8.3
/VGA OUTPUT/BLANK: length 46
  Signal w0.152: 94.62,53.45 94.49,53.32 v1(94.49,52.14) 94.49,51.6 93.34,50.46 93.34,48.3 ; 109.6,48.3 109.78,48.48 v1(109.78,50.37) 109.78,50.92 110.87,52.02 110.87,53.45 ; 91.95,67.77 v1(91.95,67.89) 91.82,68.02 90.64,68.02
  Signal & Power w0.152: v1(109.78,50.37) 95.76,50.37 94.49,51.64 v1(94.49,52.14) 92.96,53.67 92.96,66.88 v1(91.95,67.89)
/VGA OUTPUT/BLUE0: length 6.9
  Signal w0.152: RN1.5 102.75,65.74 102.36,65.35 J14.1 102.36,62.3 101.6,61.54 J8.2
/VGA OUTPUT/BLUE1: length 7.4
  Signal w0.152: RN2.5 106.82,66 104.9,64.08 J14.2 104.9,64.08 104.9,62.3 105.41,61.8 J9.2
/VGA OUTPUT/BLUE_OUT: length 40.3
  Signal w0.152: RN2.7 RN2.6 107.46,67.49 107.95,67 107.95,63.83 109.47,62.3 114.55,62.3 115.82,61.03 115.82,59.76 116.5,59.09 124.88,59.09 131.09,52.88 J17.3 ; 137.58,52.4 137.61,52.42
/VGA OUTPUT/GREEN0: length 6.9
  Signal w0.152: RN3.5 110.88,65.74 110.49,65.35 J15.1
  Signal & Power w0.152: J15.1 110.49,64.08 110.49,62.3 109.73,61.54 J10.2
/VGA OUTPUT/GREEN1: length 8.2
  Signal w0.152: RN4.5 114.95,66 113.03,64.08 J15.2 113.54,63.57
  Signal & Power w0.152: J15.2 113.03,62.31 113.54,61.8 J11.2
/VGA OUTPUT/GREEN_OUT: length 30.4
  Signal w0.152: RN4.6 RN4.7 ; J17.2 131.34,55.17 124.21,62.3 117.6,62.3 116.08,63.83 116.08,67.02 115.61,67.49 114.99,67.49 ; 138,54.66 138.03,54.69
/VGA OUTPUT/HSYNC_OUT: length 60
  Signal w0.152: 141.51,52.82 143.26,54.57 143.26,58.43 141.16,60.53 134.62,60.53 124.71,70.43 100.65,70.43 99.31,69.1 99.31,64.91
/VGA OUTPUT/PIXEL0_0: length 21
  Signal w0.152: U29.15 115.95,41.86 115.06,42.75 112.27,42.75 111.51,43.51 104.9,43.51 104.39,44.02 102.62,44.02 99.69,46.94 99.69,48.3
/VGA OUTPUT/PIXEL0_1: length 27
  Signal w0.152: 100.97,53.45 100.97,51.25 100.33,50.62 100.33,47.06 102.87,44.52 104.94,44.52 105.44,44.02 112.01,44.02 112.78,43.25 115.82,43.25 117.22,41.86 U29.14
